# Altium PCB DK2.PcbDoc (part 4 of 5) (continued)
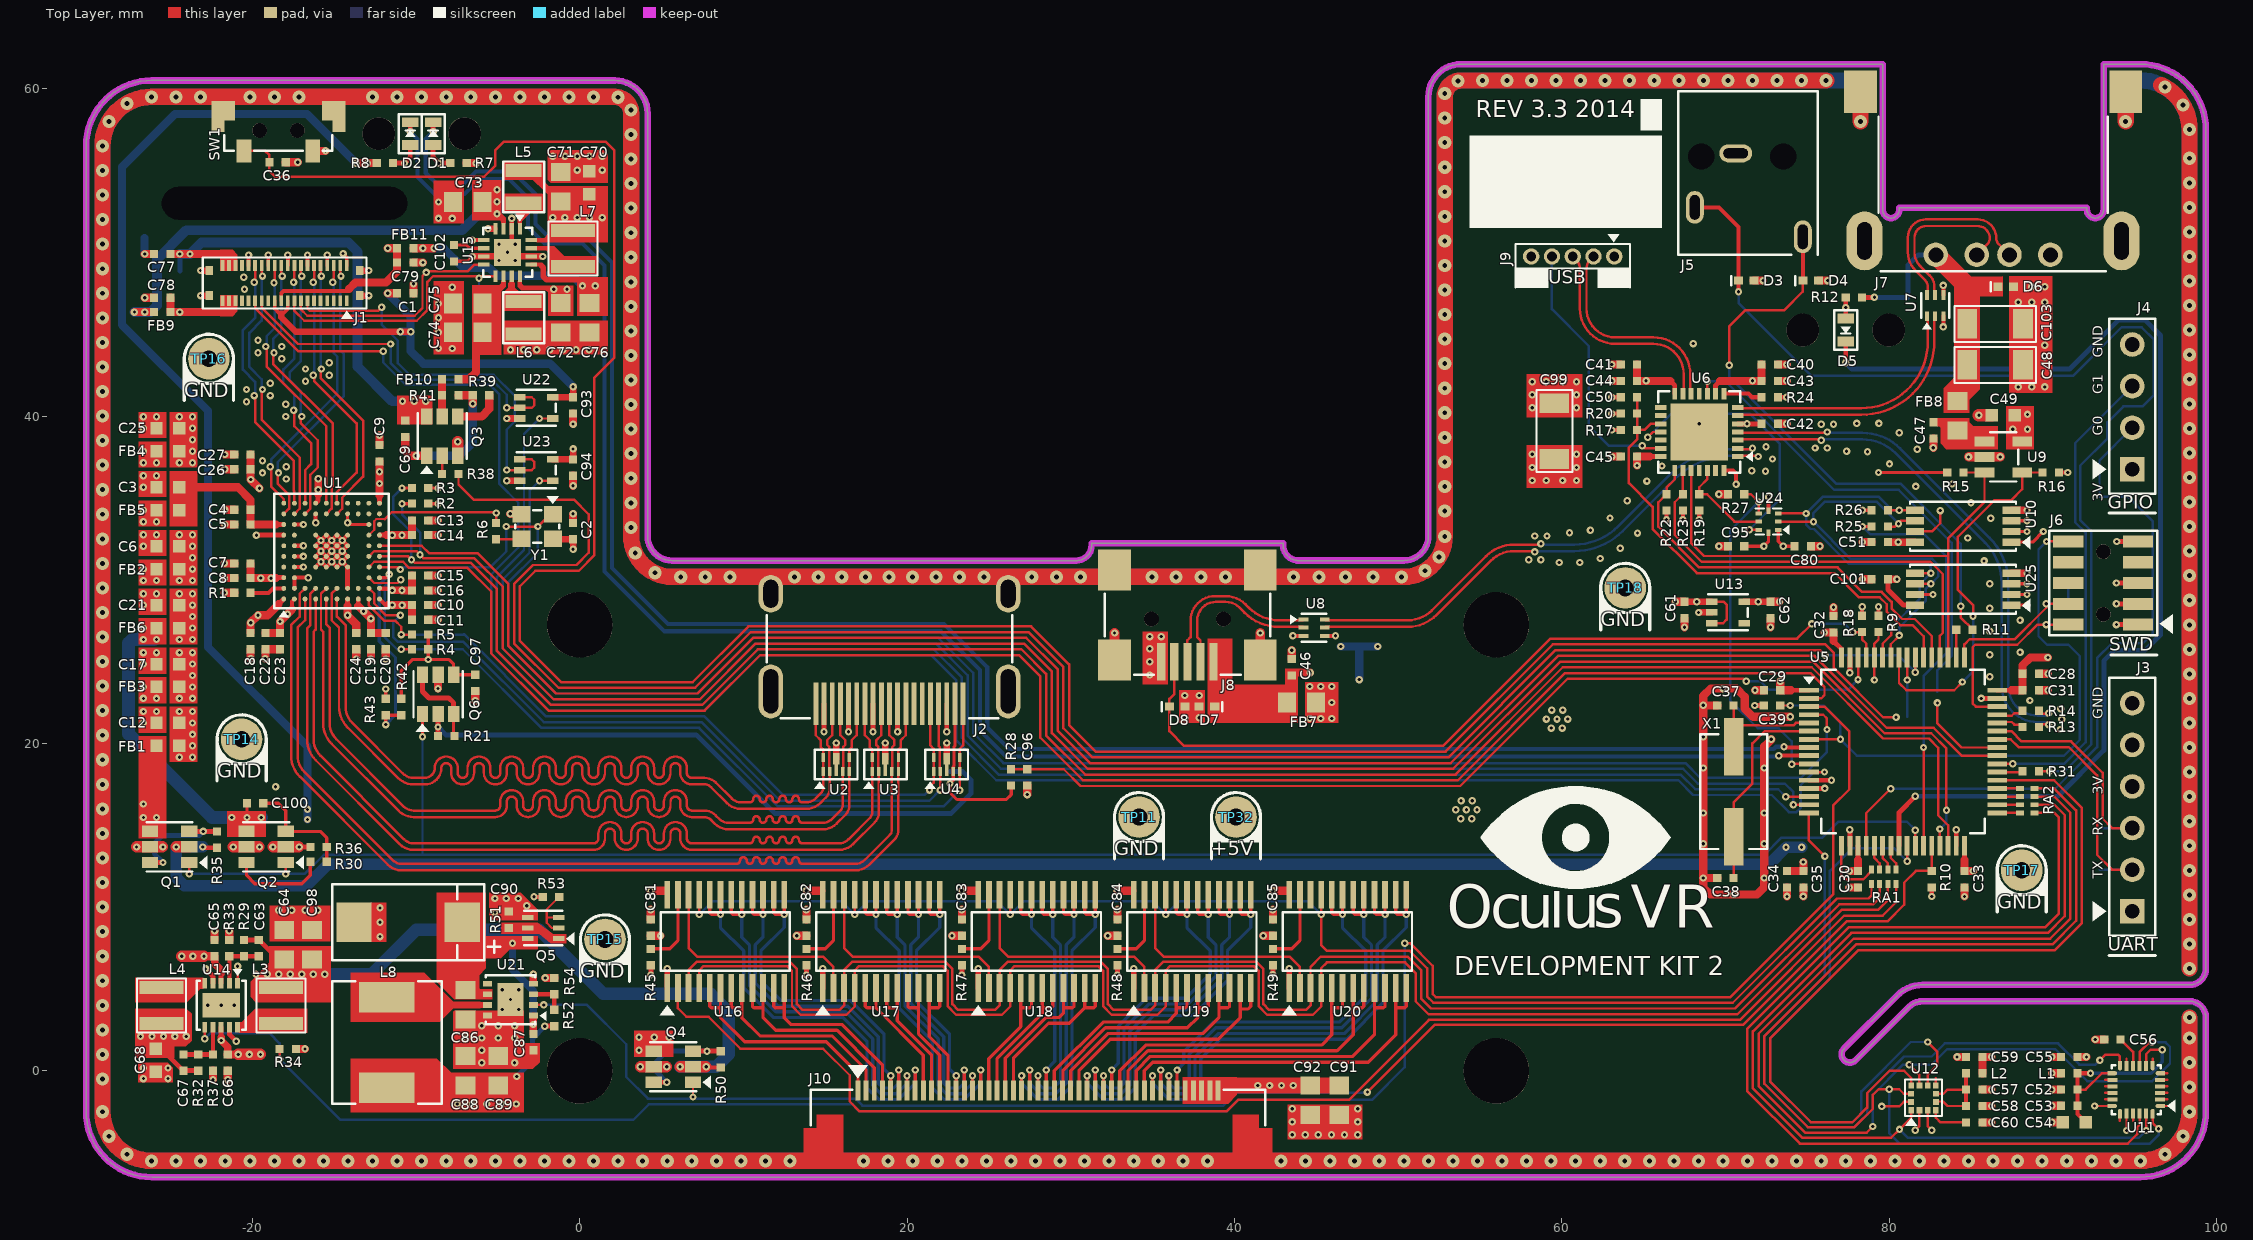
[diagram p0: Top Layer view]
## Nets (pads, with @x,y where several pads share a name; then routed paths per layer and width w, separated by ;. In a path a pad name is that pad's centre, name@x,y a point inside that pad or via, vN(x,y) a via of type N, cw(c..) or ccw(c..) an arc to the next point about the centre after c; other vN are vias at no path point) (continued)
  Top Layer w0.15: J1.13@-16.625,47.05 -16.625,46.575 -16.475,46.425 -12.325,46.425 v1(-12.1,46.65) ; v1(-4.45,36.7) U23.2@-3.65,36.7 -2.925,36.7 -2.775,36.85 -2.775,37.2 -2.925,37.35 U23.1@-3.65,37.35
  Bottom Layer w0.15: v1(-12.1,46.65) -12.1,45.6 -11.1,44.6 -11.1,43.225 -10.4,42.525 -5.251,42.525 -3.975,41.249 -3.975,39.65 -4.45,39.175 v1(-4.45,36.7)
POWER_BTN: C36.1 SW1.3 TP4.1 U5.56 | length 160
  Top Layer w0.15: SW1.3@-20.5,56.2 -19.214,56.2 -18.952,55.938 -18.952,54.978 -18.599,54.625 -5.825,54.625 -5.15,55.3 -5.15,56.25 -4.65,56.75 1.6,56.75 2.125,56.225 2.125,43.575 0.9,42.35 0.9,31.5 -0.05,30.55 -2.7,30.55 -3.65,29.6 -3.65,26.264 -1.136,23.75 6.91,23.75 10.31,27.15 27.58,27.15 29.9,24.83 29.9,21.125 31.525,19.5 52.9,19.5 59.45,26.05 76.1,26.05 76.625,25.525 76.625,24.6 79.625,21.6 v1(80.425,21.6) ; v1(81.101,23.875) U5.56@81.101,25.251
  Bottom Layer w0.15: TP4.1@81.1,21.625 v1(81.101,23.875)
R_CAM_SYNC_IN: D3.1 J5.2 R31.2 | length 68
  Top Layer w0.15: R31.2@89.15,18.3 v1(89.8,18.3)
  Top Layer w0.25: J5.2@68.125,52.75 69.6,52.75 70.8,51.55 v1(70.8,47.6)
  Bottom Layer w0.15: v1(70.8,47.6) 70.8,46.9 75.25,42.45 91.225,42.45 94.2,45.425 95.425,45.425 96.175,44.675 96.175,41.285 95.48,40.59 94.31,40.59 93.33,39.61 93.33,38.62 91.67,36.96 91.67,33.66 92.35,32.98 92.35,19.935 90.715,18.3 v1(89.8,18.3)
R_CAM_SYNC_OUT: D4.1 J5.3 R11.2 | length 35.7
  Top Layer w0.15: v1(70.225,43.1) 70.225,45.475 71.225,46.475 73.6,46.475 74.725,47.6 D4.1@74.725,48.275 ; v1(84.371,28.375) 84.371,27.704 R11.2@85.125,26.95
  Top Layer w0.25: D4.1@74.725,48.275 J5.3@74.725,50.95
  Bottom Layer w0.15: v1(70.225,43.1) 70.225,42.407 76.782,35.85 80.72,35.85 84.371,32.199 v1(84.371,28.375)
R_D1USBD_N: R13.1 U6.3 | length 31.4
  Top Layer w0.15: U6.3@70.751,38.524 70.802,38.575 v1@75.85,38.575 ; R13.1@89.15,21.175 v1@89.75,21.175
  Bottom Layer w0.15: v1@75.85,38.575 78.365,38.575 cw(c78.365,35.713) 80.388,37.737 85.851,32.274 ; 85.852,32.273 cw(c83.378,29.802) 86.875,29.802 86.875,23.5 ccw(c89.075,23.5) 89.075,21.3 89.625,21.3 v1@89.75,21.175
  other v1: 89.751,21.151 75.85,38.525
R_D1USBD_P: R14.1 U6.4 | length 31.4
  Top Layer w0.15: U6.4@70.751,39.024 70.8,38.975 v1@76.225,38.975 ; R14.1@89.15,21.825 v1@89.75,21.825
  Bottom Layer w0.15: v1@76.225,38.975 78.365,38.975 cw(c78.365,35.713) 80.67,38.021 ; 80.671,38.02 86.134,32.557 ; 86.135,32.556 cw(c83.378,29.802) 87.275,29.802 87.275,23.5 ccw(c89.075,23.5) 89.075,21.7 89.625,21.7 v1@89.75,21.825
  other v1: 89.751,21.851 76.225,39.025
REFCLK_27MHZ: R6.1 TP1.1 U1.J7 | length 9.3
  Top Layer w0.13: U1.J7@-12.875,32.725 -12.55,33.05 -12.55,33.575 -12.425,33.7 -11.9,33.7
  Top Layer w0.15: -11.9,33.7 -11.475,34.125 -5.15,34.125 v1(-5.1,34.075) R6.1@-5.1,33.475
RESET: C39.1 J6.10 TP5.1 U5.7 | length 39.3
  Top Layer w0.15: C39.1@73.35,22.318 v1(73.95,22.318) ; U5.7@75.101,20.251 v1(77.025,20.25) ; v1(89.611,32.339) J6.10@90.95,32.339
  Bottom Layer w0.15: v1(73.95,22.318) 75.982,22.318 77.025,21.275 v1(77.025,20.25) 78.025,19.25 90.675,19.25 91.65,20.225 91.65,25.325 90.95,26.025 89.65,26.025 89.125,26.55 89.125,31.853 v1(89.611,32.339) TP5.1@90.95,32.339
RESV: U11.19 | length 0.5
  Top Layer w0.15: 94.1,-3.05 U11.19@94.1,-2.6
RX: J3.3 TP2.1 U5.43 | length 14.3
  Top Layer w0.15: U5.43@86.601,20.751 87.464,20.751 88.09,20.125 91.12,20.125 93.05,18.195 93.05,15.4 93.62,14.83 J3.3@94.85,14.83
  Bottom Layer w0.15: TP2.1@92.85,14.83 J3.3@94.85,14.83
SWCLK: J6.4 TP6.1 U5.49 | length 10.7
  Top Layer w0.15: U5.49@84.601,25.251 84.601,26.051 84.925,26.375 87.684,26.375 89.6,28.291 v1(89.6,28.529) J6.4@90.95,28.529
  Bottom Layer w0.15: v1(89.6,28.529) 90.579,28.529 90.95,28.9 TP6.1@90.95,29.799
SWDAT: J6.2 TP7.1 U5.46 | length 12.8
  Top Layer w0.15: U5.46@86.601,22.251 85.299,22.251 85.1,22.45 85.1,25.875 85.25,26.025 87.825,26.025 89.059,27.259 v1(89.6,27.259) J6.2@90.95,27.259
  Bottom Layer w0.15: v1(89.6,27.259) TP7.1@90.95,27.259
TX: J3.2 TP3.1 U5.42 | length 16.4
  Top Layer w0.15: U5.42@86.601,20.251 87.43,20.251 87.906,19.775 90.975,19.775 92.7,18.05 92.7,13.2 93.61,12.29 J3.2@94.85,12.29
  Bottom Layer w0.15: TP3.1@92.85,12.29 J3.2@94.85,12.29
USB_SUSPEND: R23.2 U5.52 U6.23 | length 26.7
  Top Layer w0.15: U6.23@67.401,36.674 67.401,35.232 66.9,34.731 66.9,32.741 68.54,31.101 82.524,31.101 83.275,30.35 83.275,26.75 83.101,26.576 U5.52@83.101,25.251
UUSBD_N: U6.1 U8.5 | length 31.5
  Top Layer w0.15: U8.5@45.525,27.075 45.575,27.125 50.6,27.125 ccw(c50.6,29.6) 52.349,27.849 ; 52.35,27.85 55.649,31.149 ; 55.65,31.15 cw(c57.1,29.698) 57.1,31.75 v1@58.35,31.75 ; U6.1@70.751,37.524 70.802,37.575 v1@72,37.575
  Bottom Layer w0.15: v1@58.35,31.75 60.766,31.75 ccw(c60.766,35.936) 63.725,32.975 ; 63.726,32.976 66.869,36.119 cw(c70.384,32.605) 70.384,37.575 v1@72,37.575
  other v1: 58.35,31.7 72,37.525
UUSBD_P: U6.2 U8.6 | length 30.8
  Top Layer w0.15: U8.6@45.525,27.575 45.575,27.525 50.6,27.525 ccw(c50.6,29.6) 52.066,28.132 ; 52.067,28.133 55.366,31.432 cw(c57.1,29.698) 57.1,32.15 v1@58.725,32.15 ; U6.2@70.751,38.024 70.8,37.975 v1@71.65,37.975
  Bottom Layer w0.15: v1@58.725,32.15 60.766,32.15 ccw(c60.766,35.935) 63.441,33.257 66.586,36.402 ; 66.588,36.404 cw(c70.384,32.605) 70.384,37.975 v1@71.65,37.975
  other v1: 58.725,32.2 71.65,38.025
VBUS: C46.1 D7.1 FB7.1 J8.1 TP9.1 | length 0.7
  Top Layer w0.5: 43.875,24.325 v1(44.625,24.325)
VBUS_ACC: C48.1 C103.1 D6.1 FB8.2 J7.1 R12.2 TP10.1 | length 14.3
  Top Layer w0.3: R12.2@78.35,47.25 v1(79.1,47.25)
  Top Layer w1.2: J7.1@82.85,49.85 84.78,47.92 C103.1@84.78,45.63 C48.1@84.78,43.13
  Bottom Layer w0.3: v1(79.1,47.25) TP10.1@81.15,47.25 81.15,49.22 81.78,49.85 J7.1@82.85,49.85
VDDC: C6.1 C7.1 C8.1 C9.1 C10.1 C11.1 FB2.2 U1.A3 U1.K1 U1.K10 | length 8.3
  Top Layer w0.25: U1.K1@-12.2,28.8 -11.825,28.425
  Top Layer w0.3: -18.475,30.125 U1.A3@-18.075,30.125 ; U1.K10@-12.225,34.675 -12.225,35.15
  Top Layer w0.5: C7.1@-20.099,30.975 C8.1@-20.099,30.1 -18.549,30.1 ; -12.225,35.15 C9.1@-12.225,37.225 ; -11.7,28.45 C10.1@-10.25,28.45 ; C11.1@-10.25,27.55 C10.1@-10.25,28.45 ; C10.1@-10.249,28.45 C10.1@-10.25,28.45
  other v1: -10.846,28.449 -11.45,28.45 -24.45,29.95 -23.65,29.95 -19.475,30.1 -18.858,30.099 -23.65,30.65 -23.65,31.35 -23.65,32.05 -24.45,32.75 -23.65,32.75 -12.225,35.875 -12.225,36.6
VDDIO: C2.1 C12.1 C13.1 C14.1 FB1.2 R2.2 R3.2 U1.K7 Y1.4 | length 17
  Top Layer w0.2: R2.2@-9.25,34.65 v1(-8.65,34.65) ; R3.2@-9.25,35.6 v1(-8.65,35.6)
  Top Layer w0.3: U1.K7@-12.225,32.725 -11.825,32.725
  Top Layer w0.4: Y1.4@-1.925,32.467 -0.4,32.467 v1(-0.4,31.867)
  Top Layer w0.5: -11.799,32.725 v1(-11.449,32.725) ; v1(-11.449,32.725) C14.1@-10.25,32.725 C13.1@-10.25,33.625
  MidLayer1 w0.3: v1(-10.849,32.725) -9.9,32.725 -9.042,31.867 v1(-0.4,31.867)
  other v1: -24.45,19.15 -23.65,19.15 -23.65,19.85 -23.65,20.55 -23.65,21.25 -24.45,21.95 -23.65,21.95
VDDMIPI: C25.1 C26.1 C27.1 FB4.2 U1.D10 | length 3.8
  Top Layer w0.3: U1.D10@-16.075,34.725 -15.975,34.825 -15.975,35.2
  Top Layer w0.45: -15.975,35.2 v1(-15.975,36.175)
  Top Layer w0.5: C27.1@-20.1,37.65 v1(-20.1,36.125) v1(-19.563,35.588)
  other v1: -15.975,35.5 -24.45,37.15 -23.65,37.15 -23.65,37.85 -23.65,38.55 -23.65,39.25 -24.45,39.95 -23.65,39.95
VDDPLL: C3.1 C4.1 C5.1 FB5.2 U1.A8 | length 7.4
  Top Layer w0.3: -18.541,33.375 U1.A8@-18.075,33.375
  Top Layer w0.5: -23.65,35.65 -20.875,35.65 -20.099,34.874 C4.1@-20.099,34.275 ; C4.1@-20.099,34.25 C5.1@-20.099,33.375 -18.541,33.375
VLED: C88.1 C89.1 C91.1 C92.1 J10.41 J10.42 J10.43 J10.44 J10.45 L8.1 R52.2 TP44.1 | length 10.9
  Top Layer w0.3: v1(-2.125,2.725) R52.2@-1.55,2.725
  Top Layer w1: 39.84,-0.9 C91.1@46.4,-0.9
  Bottom Layer w0.3: v1(-3.85,-0.35) -2.875,0.625 -2.875,1.975 v1(-2.125,2.725)
  other v1: -7.475,-2.025 -6.575,-2.025 -5.675,-2.025 -4.775,-2.025 -3.875,-2.025 41.425,-0.9 42.15,-0.9 42.875,-0.9 43.6,-0.9
WW_DETECT: D8.1 J8.4 R18.2 U5.61 | length 52
  Top Layer w0.15: J8.4@36.33,24.995 36.33,23.03 36.025,22.725 36.025,20.75 36.925,19.85 52.75,19.85 59.3,26.4 74.375,26.4 v1(75.275,27.3) ; v1(77.776,26.793) 78.351,26.793 78.351,26.351 78.601,26.101 U5.61@78.601,25.251
  Bottom Layer w0.15: v1(75.275,27.3) 77.269,27.3 v1(77.776,26.793)
pads on no net: J1.1 J1.3 J1.5 J1.7 J1.9 J1.11 J1.25 J1.31 J1.33 J1.34 J2.13 J2.14 J3.1 J3.5 J5.0 J6.0 J6.6 J6.7 J6.8 J8.0 SW1.0 U1.A4 U1.A5 U1.A6 U1.B7 U1.G10 U1.H2 U1.H9 U1.H10 U1.J6 U1.J9 U1.J10 U1.K8 U1.K9 U6.11 U6.15 U6.16 U6.19 U6.25 U6.27 U13.4 U20.22 U21.5

## Polygon pours and split planes (outlines as drawn)
GND on MidLayer1 "Ground Plane" (solid, pour order 27): 163 vertices, not listed, extent -30.15,-6.5 99.35,61.5
GND on Power (split plane): 95.599,60.983 95.847,60.956 96.092,60.912 96.334,60.85 96.57,60.772 96.8,60.676 97.023,60.565 97.238,60.437 97.442,60.295 97.637,60.139 97.819,59.969 97.989,59.787 98.145,59.592 98.287,59.388 98.415,59.173 98.526,58.95 98.622,58.72 98.7,58.484 98.762,58.242 98.806,57.997 98.833,57.749 98.841,57.516 98.84,57.5 98.84,38.127 90.125,38.127 90.084,38.119 90.076,38.118 90.035,38.09 88.885,36.94 88.857,36.899 88.848,36.85 88.848,23.225 88.857,23.176 88.885,23.135 89.585,22.435 89.626,22.407 89.675,22.398 90.622,22.398 90.998,22.022 90.998,20.528 90.547,20.077 85.727,20.077 85.727,30.925 85.718,30.974 85.69,31.015 79.515,37.19 79.474,37.218 79.425,37.227 75.978,37.227 75.148,38.057 75.148,39.973 83.247,39.973 85.085,38.135 85.126,38.107 85.175,38.098 88.45,38.098 88.499,38.107 88.54,38.135 89.215,38.81 89.243,38.851 89.252,38.9 89.252,40.3 89.243,40.349 89.215,40.39 87.415,42.19 87.374,42.218 87.325,42.227 75.928,42.227 66.945,51.21 66.904,51.238 66.855,51.247 52.36,51.247 52.36,59.5 52.359,59.515 52.368,59.667 52.396,59.832 52.442,59.993 52.506,60.147 52.587,60.294 52.684,60.43 52.795,60.555 52.92,60.666 53.056,60.763 53.203,60.844 53.357,60.908 53.518,60.954 53.683,60.982 53.835,60.991 53.85,60.99 79.09,60.99 79.09,52.6 79.09,52.592 79.099,52.467 79.125,52.336 79.167,52.21 79.226,52.091 79.3,51.98 79.388,51.88 79.488,51.792 79.599,51.718 79.718,51.659 79.844,51.617 79.975,51.591 80.108,51.582 80.241,51.591 80.372,51.617 80.498,51.659 80.617,51.718 80.728,51.792 80.828,51.88 80.916,51.98 80.99,52.091 81.049,52.21 81.05,52.215 91.65,52.215 91.651,52.21 91.71,52.091 91.784,51.98 91.872,51.88 91.972,51.792 92.083,51.718 92.202,51.659 92.328,51.617 92.459,51.591 92.592,51.582 92.725,51.591 92.856,51.617 92.982,51.659 93.101,51.718 93.212,51.792 93.312,51.88 93.4,51.98 93.474,52.091 93.533,52.21 93.575,52.336 93.601,52.467 93.61,52.592 93.61,52.6 93.61,60.99 95.35,60.99 95.366,60.991
5V on Power (split plane): 75.785,42.01 75.826,41.982 75.875,41.973 87.272,41.973 88.998,40.247 88.998,38.953 88.397,38.352 85.228,38.352 83.39,40.19 83.349,40.218 83.3,40.227 75.025,40.227 73.678,40.227 72.552,41.353 72.552,42.375 72.543,42.424 72.515,42.465 70.94,44.04 70.899,44.068 70.85,44.077 62.925,44.077 62.876,44.068 62.863,44.059 62.835,44.04 62.135,43.34 62.107,43.299 62.098,43.25 62.098,40.15 62.107,40.101 62.135,40.06 62.61,39.585 62.651,39.557 62.7,39.548 63.647,39.548 63.848,39.347 63.848,38.778 63.597,38.527 57.475,38.527 57.426,38.518 57.385,38.49 55.26,36.365 55.232,36.324 55.223,36.275 55.223,27.9 55.232,27.851 55.26,27.81 56.335,26.735 56.376,26.707 56.425,26.698 60.297,26.698 61.123,25.872 61.123,21.278 60.472,20.627 44.027,20.627 44.027,23.773 47,23.773 47.049,23.782 47.09,23.81 47.49,24.21 47.518,24.251 47.527,24.3 47.527,30.66 50.35,30.66 50.351,30.66 50.547,30.669 50.742,30.698 50.934,30.746 51.119,30.813 51.298,30.897 51.467,30.998 51.625,31.116 51.772,31.248 51.904,31.395 52.022,31.553 52.123,31.722 52.207,31.901 52.274,32.086 52.322,32.278 52.351,32.473 52.36,32.669 52.36,32.67 52.36,50.993 66.802,50.993
GND on Power (split plane): 73.248,37.872 73.248,36.928 72.647,36.327 68.675,36.327 68.626,36.318 68.613,36.309 68.585,36.29 62.672,30.377 57.903,30.377 57.227,31.053 57.227,32.697 57.903,33.373 62,33.373 62.049,33.382 62.09,33.41 67.278,38.598 72.522,38.598
VDDMIPI on Power (split plane): -20.277,38.697 -20.277,36.75 -20.268,36.701 -20.24,36.66 -19.165,35.585 -19.124,35.557 -19.075,35.548 -17.3,35.548 -17.251,35.557 -17.21,35.585 -15.672,37.123 -13.627,37.123 -13.627,34.078 -14.453,33.252 -25.023,33.252 -25.023,40.598 -22.178,40.598
AVDD33 on Power (split plane): -13.518,28.913 -13.865,28.565 -13.893,28.524 -13.902,28.475 -13.902,28.05 -13.893,28.001 -13.865,27.96 -13.352,27.447 -13.352,24.627 -19.523,24.627 -19.523,26.997 -18.96,27.56 -18.932,27.601 -18.923,27.65 -18.923,28.1 -18.932,28.149 -18.96,28.19 -19.21,28.44 -19.251,28.468 -19.3,28.477 -19.85,28.477 -19.899,28.468 -19.94,28.44 -22.303,26.077 -25.023,26.077 -25.023,29.423 -14.028,29.423
3.0V on Power (split plane): 154 vertices, not listed, extent 70.877,-5.991 98.841,37.873
3.3V_LED on Power (split plane): 51.473,9.747 51.473,2.728 48.822,0.077 38.3,0.077 38.259,0.069 38.251,0.068 38.21,0.04 36.322,-1.848 3.127,-1.848 3.127,10.747 3.828,11.448 49.772,11.448
VDDIO on Power (split plane): -6.852,25.828 -13.853,18.827 -25.023,18.827 -25.023,22.223 -12.575,22.223 -12.526,22.232 -12.485,22.26 -11.31,23.435 -11.282,23.476 -11.273,23.525 -11.273,26.873 -8.15,26.873 -8.101,26.882 -8.06,26.91 -8.032,26.951 -8.023,27 -8.023,28.9 -8.032,28.949 -8.06,28.99 -8.101,29.018 -8.15,29.027 -11.622,29.027 -12.098,29.503 -12.098,32.922 -11.31,33.71 -11.282,33.751 -11.273,33.8 -11.273,36.123 -6.852,36.123
VLED on Power (split plane): -6.79,-1.115 -6.749,-1.143 -6.7,-1.152 -3.753,-1.152 -2.84,-2.065 -2.799,-2.093 -2.75,-2.102 36.375,-2.102 36.424,-2.093 36.465,-2.065 38.353,-0.177 48.723,-0.177 48.723,-5.99 -14.523,-5.99 -14.523,0.147 -13.797,0.873 -8.778,0.873
3.0V_SW on Power (split plane): 0.398,42.172 0.398,37.928 -0.128,37.402 -4.425,37.402 -4.474,37.393 -4.515,37.365 -4.94,36.94 -4.968,36.899 -4.977,36.85 -4.977,32.675 -4.977,25.003 -13.353,16.627 -22.1,16.627 -22.149,16.618 -22.19,16.59 -22.218,16.549 -22.227,16.5 -22.227,14.902 -26.923,14.902 -26.923,17.322 -25.672,18.573 -13.8,18.573 -13.751,18.582 -13.71,18.61 -6.635,25.685 -6.607,25.726 -6.598,25.775 -6.598,37.497 -5.322,38.773 -1.65,38.773 -1.601,38.782 -1.56,38.81 -1.26,39.11 -1.232,39.151 -1.223,39.2 -1.223,42.172 -0.872,42.523 0.047,42.523
VDDC on Power (split plane): -11.527,33.853 -12.315,33.065 -12.343,33.024 -12.352,32.975 -12.352,29.45 -12.343,29.401 -12.315,29.36 -11.765,28.81 -11.724,28.782 -11.675,28.773 -8.277,28.773 -8.277,27.127 -11.372,27.127 -13.247,29.003 -13.885,29.64 -13.926,29.668 -13.975,29.677 -25.023,29.677 -25.023,32.998 -14.4,32.998 -14.351,33.007 -14.31,33.035 -13.41,33.935 -13.382,33.976 -13.381,33.984 -13.373,34.025 -13.373,39.123 -11.527,39.123
GND on Power (split plane): -13.627,37.377 -15.725,37.377 -15.774,37.368 -15.815,37.34 -17.353,35.802 -19.022,35.802 -20.023,36.803 -20.023,38.75 -20.032,38.799 -20.06,38.84 -22.035,40.815 -22.076,40.843 -22.125,40.852 -29.64,40.852 -29.64,52.873 -13.627,52.873
AVDD12 on Power (split plane): -11.527,26.922 -11.527,23.578 -12.628,22.477 -25.023,22.477 -25.023,25.823 -22.25,25.823 -22.201,25.832 -22.16,25.86 -19.797,28.223 -19.353,28.223 -19.177,28.047 -19.177,27.703 -19.74,27.14 -19.768,27.099 -19.777,27.05 -19.777,24.5 -19.768,24.451 -19.74,24.41 -19.699,24.382 -19.65,24.373 -13.225,24.373 -13.176,24.382 -13.135,24.41 -13.107,24.451 -13.098,24.5 -13.098,27.5 -13.107,27.549 -13.135,27.59 -13.648,28.103 -13.648,28.422 -13.337,28.732
3.3V on Power (split plane): 167 vertices, not listed, extent -26.923,2.277 85.473,43.823
5V on Power (split plane): 66.06,13.385 66.101,13.357 66.15,13.348 72.723,13.348 72.723,-5.99 48.977,-5.99 48.977,-0.128 51.69,2.585 51.718,2.626 51.727,2.675 51.727,9.8 51.718,9.849 51.69,9.89 49.915,11.665 49.874,11.693 49.825,11.702 3.775,11.702 3.726,11.693 3.685,11.665 2.91,10.89 2.882,10.849 2.873,10.8 2.873,-1.848 -2.697,-1.848 -3.61,-0.935 -3.651,-0.907 -3.7,-0.898 -6.647,-0.898 -8.635,1.09 -8.676,1.118 -8.725,1.127 -13.85,1.127 -13.891,1.119 -13.899,1.118 -13.94,1.09 -14.74,0.29 -14.768,0.249 -14.777,0.2 -14.777,-5.99 -26.15,-5.99 -26.166,-5.991 -26.399,-5.983 -26.647,-5.956 -26.892,-5.912 -27.134,-5.85 -27.37,-5.772 -27.6,-5.676 -27.823,-5.565 -28.038,-5.437 -28.242,-5.295 -28.437,-5.139 -28.619,-4.969 -28.789,-4.787 -28.945,-4.592 -29.087,-4.388 -29.215,-4.173 -29.326,-3.95 -29.422,-3.72 -29.5,-3.484 -29.562,-3.242 -29.606,-2.997 -29.633,-2.749 -29.641,-2.516 -29.64,-2.5 -29.64,0.648 -23.25,0.648 -23.201,0.657 -23.16,0.685 -23.132,0.726 -23.123,0.775 -23.123,3.5 -23.132,3.549 -23.16,3.59 -23.201,3.618 -23.25,3.627 -26.447,3.627 -26.923,4.103 -26.923,10.123 -21.828,10.123 -20.452,8.747 -20.452,3.025 -20.443,2.976 -20.415,2.935 -19.54,2.06 -19.499,2.032 -19.491,2.031 -19.45,2.023 -17.325,2.023 -17.276,2.032 -17.235,2.06 -4.122,15.173 28.55,15.173 28.599,15.182 28.64,15.21 30.353,16.923 62.522,16.923
3.3V_SW on Power (split plane): -26.15,59.99 2.15,59.99 2.165,59.991 2.317,59.982 2.482,59.954 2.643,59.908 2.797,59.844 2.944,59.763 3.08,59.666 3.205,59.555 3.316,59.43 3.413,59.294 3.494,59.147 3.558,58.993 3.604,58.832 3.632,58.667 3.641,58.515 3.64,58.5 3.64,32.67 3.64,32.669 3.649,32.473 3.678,32.278 3.726,32.086 3.793,31.901 3.877,31.722 3.978,31.553 4.096,31.395 4.228,31.248 4.375,31.116 4.533,30.998 4.702,30.897 4.881,30.813 5.066,30.746 5.258,30.698 5.453,30.669 5.573,30.663 5.573,26.128 2.797,23.352 -1.5,23.352 -1.549,23.343 -1.59,23.315 -10.653,14.252 -21.973,14.252 -21.973,16.373 -13.3,16.373 -13.251,16.382 -13.21,16.41 -4.76,24.86 -4.732,24.901 -4.723,24.95 -4.723,32.675 -4.723,36.797 -4.372,37.148 -0.075,37.148 -0.026,37.157 0.015,37.185 0.615,37.785 0.643,37.826 0.652,37.875 0.652,42.225 0.643,42.274 0.615,42.315 0.19,42.74 0.149,42.768 0.1,42.777 -0.925,42.777 -0.974,42.768 -1.015,42.74 -1.44,42.315 -1.468,42.274 -1.477,42.225 -1.477,39.253 -1.703,39.027 -5.375,39.027 -5.424,39.018 -5.465,38.99 -6.815,37.64 -6.843,37.599 -6.852,37.55 -6.852,36.377 -11.273,36.377 -11.273,39.25 -11.282,39.299 -11.31,39.34 -11.351,39.368 -11.4,39.377 -13.373,39.377 -13.373,52.975 -13.381,53.016 -13.382,53.024 -13.41,53.065 -13.435,53.09 -13.476,53.118 -13.525,53.127 -29.64,53.127 -29.64,56.5 -29.641,56.516 -29.633,56.749 -29.606,56.997 -29.562,57.242 -29.5,57.484 -29.422,57.72 -29.326,57.95 -29.215,58.173 -29.087,58.388 -28.945,58.592 -28.789,58.787 -28.619,58.969 -28.437,59.139 -28.242,59.295 -28.038,59.437 -27.823,59.565 -27.6,59.676 -27.37,59.772 -27.134,59.85 -26.892,59.912 -26.647,59.956 -26.399,59.983 -26.166,59.991
1.2V on Power (split plane): -25.277,33.125 -25.277,29.55 -25.277,25.95 -25.277,22.35 -25.277,18.827 -25.725,18.827 -25.774,18.818 -25.815,18.79 -27.14,17.465 -27.168,17.424 -27.177,17.375 -27.177,4.05 -27.168,4.001 -27.14,3.96 -26.59,3.41 -26.549,3.382 -26.5,3.373 -23.377,3.373 -23.377,0.902 -29.64,0.902 -29.64,40.598 -25.277,40.598

## Keep-outs
Keep-Out Layer:
  lines w0.4: 4.15,58.475 4.15,32.67 ccw(c5.65,32.67) 5.65,31.17 30.34,31.17 ccw(c30.34,32.11) 31.28,32.11 31.28,32.225 42.98,32.225 42.98,32.11 ccw(c43.92,32.11) 43.92,31.17 ; 4.15,58.5 ccw(c2.15,58.5) 2.15,60.5 -26.15,60.5 ccw(c-26.15,56.5) -30.15,56.5 -30.15,-2.5 ccw(c-26.15,-2.5) -26.15,-6.5 95.35,-6.5 ccw(c95.35,-2.5) 99.35,-2.5 99.35,3.25 ccw(c98.35,3.25) 98.35,4.25 82.05,4.25 ccw(c82.05,3.043) 81.196,3.896 77.95,0.65 cw(c77.596,1.004) 77.243,1.357 80.489,4.604 cw(c82.05,3.043) 82.05,5.25 98.35,5.25 ccw(c98.35,6.25) 99.35,6.25 99.35,57.5 ccw(c95.35,57.5) 95.35,61.5 93.1,61.5 93.1,52.575 ; 43.82,31.175 50.35,31.175 ccw(c50.35,32.675) 51.85,32.675 51.85,59.5 cw(c53.85,59.5) 53.85,61.5 ; 53.875,61.5 79.575,61.5 ; 79.6,61.5 79.6,52.6 ccw(c80.108,52.6) 80.616,52.6 80.616,52.725 92.084,52.725 92.084,52.6 ccw(c92.592,52.6) 93.1,52.6

## Other copper
Top Layer:
  region net GND: -18.95,10.1 -18.95,7.9 -15.22,7.9 -15.22,10.1
  rectangle net GND: 34.38,23.6 35.93,26.83
  region net VBUS: 39.88,26.396 38.35,26.396 38.35,21.25 39.88,21.25
  region net VBUS: 43.1,24.575 43.1,23.575 43.9,23.575 43.9,24.575
  region net GND: -11.8,10.275 -12.775,10.275 -12.775,7.875 -11.8,7.875
  region net ELVSS: -9,39.475 -9,41.25 -11.15,41.25 -11.15,39.475
  region net 3.3V_SW: -19.15,14.275 -19.15,15.875 -21.55,15.875 -21.55,14.275
  region net VDDIO: -23.35,18.85 -23.35,22.25 -25.05,22.25 -25.05,18.85
  region net GND: -25.25,20.65 -25.25,22.25 -26.95,22.25 -26.95,20.65
  region net AVDD12: -23.35,22.45 -23.35,25.85 -25.05,25.85 -25.05,22.45
  region net 1.2V: -26.95,24.05 -26.95,22.45 -25.25,22.45 -25.25,24.05
  region net GND: -25.25,24.25 -25.25,25.85 -26.95,25.85 -26.95,24.25
  region net AVDD33: -23.35,26.05 -23.35,29.45 -25.05,29.45 -25.05,26.05
  region net 3.3V_SW: -26.95,27.65 -26.95,26.05 -25.25,26.05 -25.25,27.65
  region net GND: -25.25,27.85 -25.25,29.45 -26.95,29.45 -26.95,27.85
  region net VDDC: -23.35,29.65 -23.35,33.05 -25.05,33.05 -25.05,29.65
  region net 1.2V: -26.95,31.25 -26.95,29.65 -25.25,29.65 -25.25,31.25
  region net GND: -25.25,31.45 -25.25,33.05 -26.95,33.05 -26.95,31.45
  region net VDDPLL: -23.35,33.25 -23.35,36.65 -25.05,36.65 -25.05,33.25
  region net 1.2V: -26.95,34.85 -26.95,33.25 -25.25,33.25 -25.25,34.85
  region net GND: -25.25,35.05 -25.25,36.65 -26.95,36.65 -26.95,35.05
  region net GND: -25.25,38.65 -25.25,40.25 -26.95,40.25 -26.95,38.65
  region net 1.2V: -26.95,38.45 -26.95,36.85 -25.25,36.85 -25.25,38.45
  region net VDDMIPI: -23.35,36.85 -23.35,40.25 -25.05,40.25 -25.05,36.85
  region net 3.0V_SW: -26.95,20.45 -26.95,14.2 -25.25,14.2 -25.25,20.45
  region net GND: 38.2,23.25 36.625,23.25 36.625,21.25 38.2,21.25
  region net 5V: 44.3,23.751 44.3,21.25 46.35,21.25 46.35,23.751
  region net VBUS: 43.9,21.25 43.9,23.6 39.875,23.6 39.875,21.25
  region net GND: 1.725,45.825 -4.65,45.825 -4.65,43.75 1.725,43.75
  region net GND: -7.075,51.75 -7.075,54.4 -8.925,54.4 -8.925,51.75
  region net GND: -7.075,43.75 -7.075,48.25 -8.925,48.25 -8.925,43.75
  region net NetC76_1: 1.725,48.5 -0.175,48.5 -0.175,46.125 1.725,46.125
  region net 5V: 88.85,37.96 88.85,40.603 87.132,40.603 87.132,37.96
  region net 3.3V_LED: 5.725,0.85 5.725,2.45 3.325,2.45 3.325,0.85
  region net GND: 47.83,-4.2 47.83,-2.05 43.23,-2.05 43.23,-4.2
  region net 3.3V: 57.85,38.23 57.85,35.605 61.25,35.605 61.25,38.23
  region net GND: 61.25,39.93 61.25,42.555 57.85,42.555 57.85,39.93
  region net VLED: 39.61,-2 36.85,-2 36.85,-0.4 40.14,-0.4 40.14,-1.47
  region net NetC47_1: 82.925,39.875 84.9,39.875 84.9,39.625 85.142,39.383 86.641,39.383 86.641,37.986 83.491,37.986 83.15,38.327 83.15,39.3 83.075,39.375 82.925,39.375
  region net GND: -26.95,0.5 -25.15,0.5 -24.85,0.2 -24.85,-0.7 -26.95,-0.7
  region net 1.2V: -27.15,0.8 -27.15,3.8 -24.025,3.8 -23.7,3.475 -23.7,1.85 -24.05,1.5 -24.775,1.5 -24.775,0.8
  region net 3.3V: -18.95,7.61 -15.22,7.61 -15.22,4.2 -19.775,4.2 -20.1,4.525 -20.1,5.45 -18.95,6.6
  region net NetL3_2: -20.825,2.325 -20.825,2.975 -20.65,2.975 -19.825,3.8 -16.65,3.8 -16.65,2.325
  region net NetL4_2: -23,5.675 -23,5.025 -23.175,5.025 -24,4.2 -27.15,4.2 -27.15,5.675
  region net NetL8_2: -5.85,4.2 -6.025,4.2 -6.075,4.225 -7.724,4.225 -9.499,6 -13.975,6 -13.975,3 -8.549,3 -7.724,3.825 -6.075,3.825 -6.025,3.85 -5.85,3.85
  region net VLED: -13.975,-2.525 -3.425,-2.525 -3.425,-0.125 -7.85,-0.125 -8.725,0.75 -13.975,0.75
  region net GND: -7.725,0.125 -7.725,3.6 -7.65,3.675 -3.425,3.675 -3.425,1.675 -2.45,1.675 -2.45,0.525 -2.85,0.125
  region net NetC86_1: -5.35,4.375 -5.35,4.975 -6.05,4.975 -6.125,5.05 -6.125,5.825 -5.725,6.25 -5.725,10.877 -8.725,10.877 -8.725,5.45 -7.65,4.375
  region net NetC86_1: -5.75,8.225 -5.75,6.875 -4.825,6.875 -4.275,7.425 -2.55,7.425 -2.55,8.225
  region net 5V: -5.525,9.2 -5.525,10.875 -3.6,10.875 -2.55,9.825 -2.55,9.2
  region net NetQ5_1: -4.8,8.375 -4.8,9.05 -2.55,9.05 -1.625,8.35 -0.825,8.35 -0.825,7.8 -1.763,7.8 -2.481,8.375
  region net NetL6_1: -3.95,48.125 -3.95,47.85 -3.65,47.55 -2.175,47.55 -2.175,46.425 -4.65,46.425 -4.65,47.55 -4.35,47.85 -4.35,48.125 -4.275,48.2 -4.275,48.225 -4.025,48.225 -4.025,48.2
  region net NetC73_1: -4.525,51.775 -4.525,52.125 -4.8,52.4 -4.8,54.4 -6.575,54.4 -6.575,51.95 -4.85,51.95 -4.775,51.875 -4.775,51.775
  region net NetC74_1: -4.525,48.225 -4.525,47.9 -4.8,47.625 -4.8,43.75 -6.575,43.75 -6.575,48 -4.9,48 -4.775,48.125 -4.775,48.225
  region net NetL7_1: -2.625,50.125 -2.05,50.125 -1.875,49.95 -1.875,48.65 1.075,48.65 1.075,49.775 -0.95,49.775 -1.55,50.375 -2.625,50.375
  region net 3.3V_SW: -2.625,50.625 1.725,50.625 1.725,54.025 -1.95,54.025 -1.95,51.1 -2.175,50.875 -2.625,50.875
  region net NetL5_1: -3.525,51.775 -3.525,51.9 -2.95,52.475 -2.175,52.475 -2.175,53.475 -2.275,53.575 -4.65,53.575 -4.65,52.475 -4,52.475 -3.775,52.25 -3.775,51.775
  region net 3.3V_SW: -3.775,48.225 -3.775,47.9 -3.575,47.7 -2.075,47.7 -1.925,47.55 -1.925,46.125 -0.375,46.125 -0.375,47.975 -3.425,47.975 -3.525,48.075 -3.525,48.225
  region net 3.3V_SW: -2.95,55.525 -2.175,55.525 -2.175,54.325 -1.875,54.025 -1.875,53.475 -2.2,53.8 -2.867,54.425 -4.65,54.425 -4.65,55.525 -2.95,55.525
  region net GND: -0.25,56.25 1.475,56.25 1.725,56 1.725,54.25 -1.775,54.25 -1.95,54.425 -1.95,56.25 -0.25,56.25
  region net ELVSS: -20.91,48.875 -20.91,49.856 -21.204,50.15 -21.95,50.15 -21.95,48.875
  region net ELVDD: -20.91,47.375 -20.91,46.394 -21.204,46.1 -21.95,46.1 -21.95,47.375
  region net GND: 87.33,41.43 89.955,41.43 89.955,48.53 87.33,48.53
  region net VBUS_ACC: 83.35,40.2 84.9,40.2 84.9,41 85.55,41.65 85.55,47.32 86.94,47.32 86.94,48.53 83.98,48.52 83.98,42.33 83.35,41.7
MidLayer1:
  pour cut-out: 58.35,-4.222 58.35,-2.5 71.225,-2.5 71.225,-4.23
  pour cut-out: 80.4,0 83.8,0 83.8,-3.25 80.4,-3.25
  pour cut-out: 14.225,23.775 14.225,21.075 20.125,21.075 20.125,23.775
  text "LB" at 58.85,-3.975 h2
  text "RB" at 61.1,-3.975 h2
  text "MD" at 63.525,-3.975 h2
  text "NP" at 66.85,-3.975 h2
  text "JR" at 69.2,-3.975 h2
Bottom Layer:
  pour cut-out: 14.225,23.775 14.225,21.075 20.125,21.075 20.125,23.775